# KiCad board driver.kicad_pcb (continued)
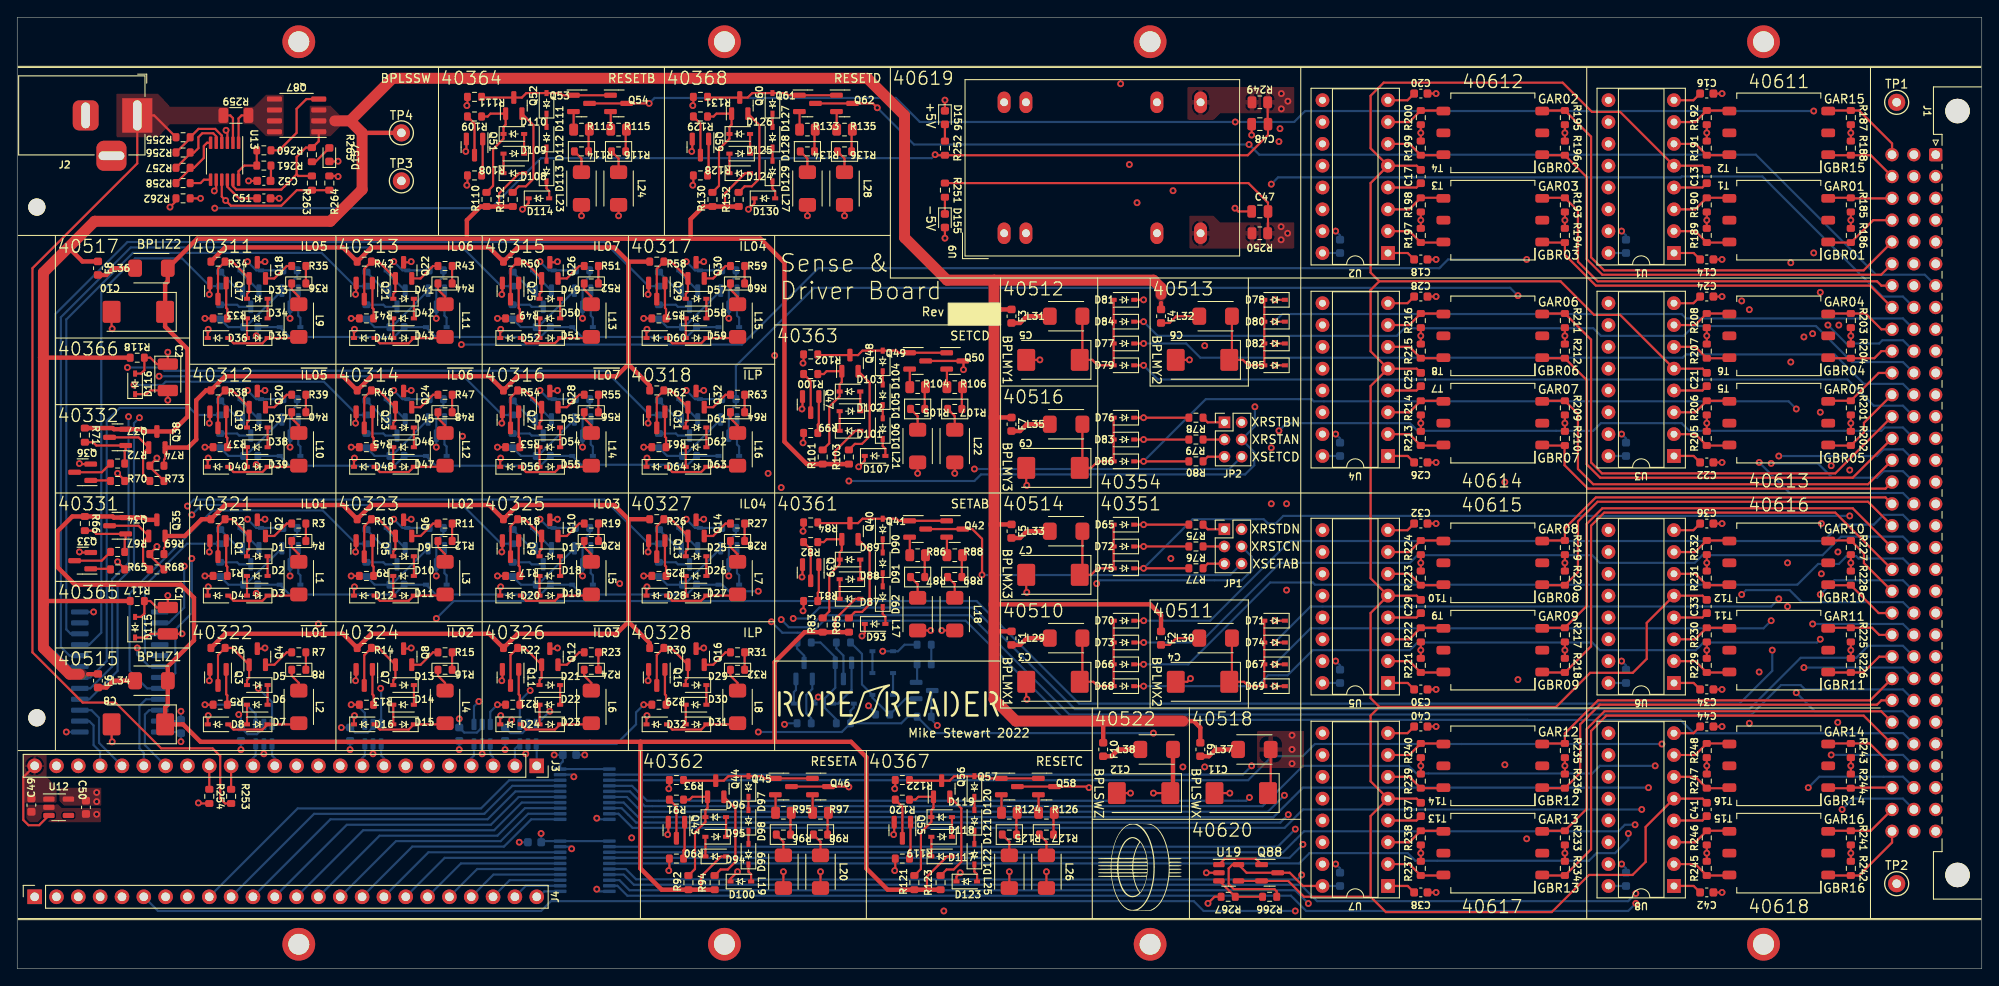
[diagram p0: board, top side]
## Nets (continued)
Net-(R206-Pad2): R206.2 T5.6 U3.3
Net-(R207-Pad1): R207.1 T6.4 U3.6
Net-(R208-Pad2): R208.2 T6.6 U3.7
Net-(R213-Pad1): R213.1 T7.4 U4.2
Net-(R214-Pad2): R214.2 T7.6 U4.3
Net-(R215-Pad1): R215.1 T8.4 U4.6
Net-(R216-Pad2): R216.2 T8.6 U4.7
Net-(R221-Pad1): R221.1 T9.4 U5.2
Net-(R222-Pad2): R222.2 T9.6 U5.3
Net-(R223-Pad1): R223.1 T10.4 U5.6
Net-(R224-Pad2): R224.2 T10.6 U5.7
Net-(R229-Pad1): R229.1 T11.4 U6.2
Net-(R230-Pad2): R230.2 T11.6 U6.3
Net-(R231-Pad1): R231.1 T12.4 U6.6
Net-(R232-Pad2): R232.2 T12.6 U6.7
Net-(R237-Pad1): R237.1 T13.4 U7.2
Net-(R238-Pad2): R238.2 T13.6 U7.3
Net-(R239-Pad1): R239.1 T14.4 U7.6
Net-(R240-Pad2): R240.2 T14.6 U7.7
Net-(R245-Pad1): R245.1 T15.4 U8.2
Net-(R246-Pad2): R246.2 T15.6 U8.3
Net-(R247-Pad1): R247.1 T16.4 U8.6
Net-(R248-Pad2): R248.2 T16.6 U8.7
Net-(R255-Pad1): R255.1 R256.2 U13.4
Net-(R256-Pad1): R256.1 R257.2 U13.5
Net-(R257-Pad1): R257.1 R258.2 U13.6
Net-(R258-Pad1): R258.1 U13.7
Net-(R260-Pad2): R260.2 R261.2 U13.12
Net-(R266-Pad2): R266.2 R267.1 U19.3
Net-(R274-Pad2): R274.2 R275.1

Pads without a net: J3 12 17; J4 2 3 4; T1 2 5; T2 2 5; T3 2 5; T4 2 5; T5 2 5; T6 2 5; T7 2 5; T8 2 5; T9 2 5; T10 2 5; T11 2 5; T12 2 5; T13 2 5; T14 2 5; T15 2 5; T16 2 5; U1 10; U2 10; U3 10; U4 10; U5 10; U6 10; U7 10; U8 10; U12 4; U14 11 13 15 16

## Via types
v1: diameter 0.8, hole 0.4, Top to Bottom, 405 vias

## Routing (per net, layer and track width the routed paths; a pad name or vN(x,y) marks a point on that pad's centre or on a via; arc(x,y) is an arc through that point)
+3.3V: length 41.6
  Bottom w0.254: v1(19.05,26.43) 19.05,27.42 18.91,27.56 U14.24 ; v1(37.72,28.07) 37.73,28.08 C55.1 39.33,27.49 40.79,27.49 41.4,28.1 U16.5 ; v1(57.53,28.96) 56.77,28.19 C57.1 57.42,27.43 58.76,27.43 59.44,28.1 U18.5 ; U10.1 U10.20 61.1,14.86 C45.2 60.97,15.73 v1(60.96,15.75) ; U11.1 U11.20 63.18,23.81 63.49,24.12 C46.2 v1(62.48,24.89) ; v1(51.43,29.09) C56.1 52.03,27.49 53.49,27.49 54.1,28.1 U17.5 ; U14.1 v1(5.71,27.56) ; v1(25.78,29.59) 26.04,29.34 C54.1 26.81,27.31 27.9,27.31 28.7,28.1 U15.5
  vias: v1(9.25,20.52) v1(9.25,19.46)
+5V: length 238.6
  Top w0.254: R249.1 145.5,98.34 C48.1 145.54,97.03 143.19,94.68 R252.1 106.87,94.68 v1(106.81,94.74) ; U7.16 149.62,9.64 148.08,11.18 Q88.3 143.05,11.18 U19.5 141.41,12.13 140.97,11.68 140.97,9.86 141.56,9.27 146.3,9.27 146.56,9.02 R266.1 ; R254.2 21.15,19.24 v1(21.08,19.3)
  In2.Cu w0.254: v1(22.99,88.52) 20.83,86.36 20.83,60.2 21.34,59.69 21.34,47.5 21.06,47.23 21.06,19.32 v1(21.08,19.3)
  Bottom w0.254: C27.1 153.92,59.68 U4.16 ; U3.16 187.19,59.68 C23.1 ; 187.2,9.64 187.19,9.64 U8.16 ; C19.1 153.92,83.3 U2.16 ; C35.1 187.19,33.26 U6.16 ; v1(22.99,88.52) 55.12,88.52 60.94,94.34 106.41,94.34 v1(106.81,94.74) ; C15.1 187.19,83.3 U1.16 ; C31.1 153.92,33.26 U5.16 ; U7.16 153.92,9.64 153.92,9.64
  vias: v1(147.09,101.85) v1(147.09,100.08) v1(147.86,100.97)
+14V: length 372
  Top w0.254: U13.11 25.11,91.08 25.5,90.68 30.73,90.68 32.51,92.46 ; Q87.1 35.09,96.3 34.35,95.57 R265.1 33.59,95.57 32.51,94.49 32.51,92.46 ; R263.1 32.7,92.27 32.51,92.46
  Top w0.508: 3.05,42.55 3.3,42.8 R117.2 ; F8.2 7.59,82.32 5.97,83.95 ; F6.2 9.37,34.29 8.26,34.29 ; TP4.1 40.13,97.28 ; F10.2 126.36,28.83 ; 113.66,51.69 113.69,51.71 F5.2 ; F1.2 113.69,39.27 113.66,39.24 ; 113.66,64.14 113.69,64.16 F7.2 ; 136.53,28.83 136.91,28.83 137.67,28.07 F9.2 ; F2.2 133.1,41.15 131.83,42.42 113.66,42.42 ; R118.2 3.05,71.12 ; F3.2 113.69,76.73 113.66,76.71 ; F4.2 133.1,77.47
  Top w1.27: 113.66,80.14 132.21,80.14 133.1,79.25 133.1,78.49 ; 113.66,80.14 108.2,80.14 103.25,85.09 103.25,99.31 98.93,103.63 43.69,103.63 38.74,98.68 ; 113.66,80.14 113.66,31.37 116.2,28.83 135.64,28.83 ; 38.74,98.68 40.13,97.28 40.13,90.68 36.45,87 9.02,87 3.05,81.03 3.05,37.34 6.1,34.29 7.24,34.29 ; 38.74,98.68 36.96,98.68
-5V: length 69
  Top w0.254: U5.8 161.78,51.04 C32.2 ; U8.8 195.05,27.42 C44.2 ; R251.1 143.26,91.44 145.54,89.15 C47.2 145.54,85.64 R250.1 ; C28.2 161.78,77.46 U4.8 ; C20.2 161.78,101.08 U2.8 ; C40.2 161.78,27.42 U7.8 ; U1.8 195.05,101.08 C16.2 ; C36.2 195.05,51.04 U6.8 ; C24.2 195.05,77.46 U3.8
  vias: v1(147.07,86.36) v1(147.07,84.84) v1(147.83,85.6)
/FPGA and Power/5V_FPGA: length 10.5
  Top w0.254: U12.3 2.56,16.71 1.32,16.71 0.71,17.32 0.71,22.3 J3.24
/FPGA and Power/14V_IN: length 110.5
  Top w0.254: R255.2 15.94,99.31 J2.1 13.97,93.73 1.78,81.53 1.78,36.83 7.62,30.99 11.43,30.99 16.76,25.65 22.73,25.65 23.62,24.77 23.62,19.81 24.19,19.24 R253.2 ; R259.2 24.79,99.31 25.11,99 U13.2
/FPGA and Power/14V_SENSE: length 4.1
  Top w0.254: R259.1 26.11,99.31 25.76,98.96 U13.1
/Rope Drivers/40510/14V_FUSE: length 4.8
  Top w0.508: L29.1 117.47,38.48 116.69,37.69 F1.1
/Rope Drivers/40511/14V_FUSE: length 4.8
  Top w0.254: F2.1 134.09,37.69 134.87,38.48 L30.1
/Rope Drivers/40512/14V_FUSE: length 4.8
  Top w0.508: F3.1 116.69,75.16 117.47,75.95 L31.1
/Rope Drivers/40513/14V_FUSE: length 4.8
  Top w0.254: F4.1 134.09,75.16 134.87,75.95 L32.1
/Rope Drivers/40514/14V_FUSE: length 4.8
  Top w0.508: L33.1 117.47,50.93 116.69,50.14 F5.1
/Rope Drivers/40515/14V_FUSE: length 4.7
  Top w0.508: L34.1 11.18,33.53 10.39,32.74 F6.1
/Rope Drivers/40516/14V_FUSE: length 4.8
  Top w0.508: F7.1 116.69,62.59 117.47,63.37 L35.1
/Rope Drivers/40517/14V_FUSE: length 4.6
  Top w0.508: F8.1 10.39,80.75 11.18,81.53 L36.1
/Sense Amplifiers/40518/14V_FUSE: length 4.7
  Top w0.508: F9.1 138.66,24.74 139.45,25.53 L37.1
/Strand Select/40522/14V_FUSE: length 4.6
  Top w0.508: L38.1 128.14,25.53 127.36,24.74 F10.1
GND: length 274.4
  Top w0.254: v1(91.44,50.93) 91.5,50.99 R84.2 ; L27.2 v1(91.95,87.63) ; C21.1 196.09,67.3 U3.4 ; D36.1 22.17,74.37 v1(22.23,74.42) ; U7.4 162.82,17.26 163.32,17.77 ; v1(16.26,49.15) 15.43,48.32 15.43,48.26 ; 17.51,38.99 15.49,38.99 15.06,38.55 D115.1 ; v1(107.57,39.37) 107.57,39.38 L18.2 ; R214.1 v1(163.32,63.5) R213.2 ; U2.4 162.82,90.92 C17.1 ; v1(73.28,44.45) 73.22,44.39 D28.1 ; v1(22.93,90.53) 23.16,90.75 U13.8 ; R208.1 v1(196.6,73.66) R207.2 ; C40.1 v1(165.1,28.19) ; C1.2 19.16,38.98 v1(19.18,38.99) ; L26.2 v1(119.76,11.3) ; D48.1 39.19,59.38 v1(39.24,59.44) ; C22.1 v1(198.37,58.93) ; v1(17.78,88.65) 18.48,89.34 R262.2 ; C28.1 v1(165.1,78.23) ; 196.6,86.17 v1(196.6,87.12) R190.1 ; C5.2 v1(119,70.87) ; v1(22.23,59.44) 22.17,59.38 D40.1 ; v1(39.24,29.46) 39.19,29.41 D16.1 ; D4.1 22.17,44.39 v1(22.23,44.45) ; C13.1 196.09,90.92 U1.4 ; v1(102.11,20.96) 102.17,21.02 R122.2 ; C3.2 117.41,31.45 v1(117.49,31.37) ; R230.1 v1(196.6,37.08) R229.2 ; R224.1 v1(163.32,47.24) R223.2 ; D64.1 73.22,59.38 v1(73.28,59.44) ; 163.32,12.51 v1(163.32,13.46) R238.1 ; v1(136.53,33.78) 136.14,33.4 C4.2 ; D24.1 56.2,29.41 v1(56.26,29.46) ; C20.1 v1(165.1,101.85) ; R206.1 v1(196.6,63.5) R205.2 ; v1(37.34,93.98) 37.31,93.95 D157.1 ; v1(91.44,70.48) 91.5,70.55 R102.2 ; C47.1 142.08,88.14 v1(141.7,88.52) ; R111.2 52.39,100.52 v1(52.32,100.46) ; R264.2 37.27,92.27 v1(37.34,92.2) ; R222.1 v1(163.32,37.08) R221.2 ; C2.2 v1(17.53,66.17) ; v1(117.47,43.82) 117.41,43.88 C7.2 ; D155.2 v1(107.95,85.03) ; U5.4 162.82,40.88 C29.1 ; R215.2 v1(163.32,73.66) R216.1 ; v1(73.28,29.46) 73.22,29.41 D32.1 ; v1(39.24,44.45) 39.19,44.39 D12.1 ; D123.1 109.29,10.74 v1(109.73,11.18) ; L17.2 106.29,39.38 v1(106.3,39.37) ; v1(83.82,11.3) 83,10.48 D100.1 ; 15.43,58.42 R73.2 ; R267.2 139.32,8.38 v1(138.56,7.62) ; C16.1 v1(198.37,101.85) ; C32.1 v1(165.1,51.82) ; C30.1 v1(165.1,32.51) ; 17.51,67.31 15.49,67.31 15.06,66.87 D116.1 ; R191.2 v1(196.6,97.28) 196.6,98.24 ; v1(56.26,59.44) 56.2,59.38 D56.1 ; v1(22.23,29.46) 22.17,29.41 D8.1 ; D107.1 98.62,59.12 v1(97.92,58.42) ; L20.2 v1(93.47,11.3) ; D93.1 98.62,39.06 v1(98.3,38.73) ; R131.2 78.68,100.52 v1(78.61,100.46) ; 15.43,48.13 R68.2 ; v1(39.24,74.42) 39.19,74.37 D44.1 ; C33.1 196.09,40.88 U6.4 ; v1(117.47,56.26) 117.41,56.33 C9.2 ; v1(11.05,74.49) 10.98,74.55 C10.2 ; C6.2 v1(136.4,70.87) ; D156.1 v1(107.95,101.09) ; R239.2 v1(163.32,23.62) R240.1 ; 163.32,86.17 v1(163.32,87.12) R198.1 ; D60.1 73.22,74.37 v1(73.28,74.42) ; C12.2 v1(129.54,20.45) ; v1(143.64,97.03) 143.64,97.03 C48.2 ; v1(56.26,44.45) 56.2,44.39 D20.1 ; 196.6,17.77 196.09,17.26 U8.4 ; C34.1 v1(198.37,32.51) ; C38.1 v1(165.1,8.89) ; v1(11.05,26.42) 10.99,26.48 C8.2 ; C51.2 v1(30.48,89.66) ; v1(16.26,59.44) 15.43,58.61 15.43,58.55 ; R246.1 v1(196.6,13.46) 196.6,12.51 ; C44.1 v1(198.37,28.19) ; C26.1 v1(165.1,58.93) ; v1(85.09,88.39) 85.79,89.1 D130.1 ; v1(56.26,74.42) 56.2,74.37 D52.1 ; L24.2 v1(69.98,87.63) ; v1(75.82,20.96) 75.88,21.02 R93.2 ; 163.32,98.24 v1(163.32,97.28) R199.2 ; U4.4 162.82,67.3 C25.1 ; L25.2 v1(115.44,11.3) ; R231.2 v1(196.6,47.24) R232.1 ; D114.1 59.51,89.1 v1(58.8,88.39) ; L19.2 v1(89.15,11.3) ; C14.1 v1(198.37,82.55) ; L21.2 v1(104.78,57.66) ; C18.1 v1(165.1,82.55) ; L23.2 v1(65.66,87.63) ; C42.1 v1(198.37,8.89) ; R247.2 v1(196.6,23.62) R248.1 ; C52.2 v1(26.92,91.69) ; L22.2 v1(109.09,57.66) ; C24.1 v1(198.37,78.23) ; L28.2 v1(96.27,87.63) ; C36.1 v1(198.37,51.82) ; U19.2 v1(138.37,11.18) ; C11.2 v1(141.1,20.45)
  Bottom w0.254: v1(67.44,9.27) 67.69,9.01 U10.10 ; C35.2 187.2,35.31 v1(186.69,35.81) ; R160.2 D141.1 44.83,66.29 v1(43.82,67.31) ; v1(67.44,17.53) 67.57,17.4 U11.10 ; D158.1 92.77,31.18 v1(93.21,31.62) ; U14.12 v1(8.89,41.53) ; C43.2 187.2,11.68 v1(186.69,12.19) ; C54.2 v1(26.04,25.51) ; 81.98,66.29 D145.1 78.87,66.29 v1(77.85,67.31) ; v1(153.42,62.23) 153.92,61.72 C27.2 ; v1(153.42,35.81) 153.92,35.31 C31.2 ; C55.2 v1(38.74,25.51) ; U14.23 18.91,28.83 C53.1 v1(19.05,29.97) ; C57.2 v1(56.77,25.51) ; v1(64.77,22.35) 64.53,22.59 U11.19 ; v1(43.82,52.32) 44.83,51.31 D149.1 R176.2 ; R172.2 D147.1 27.81,51.31 v1(26.8,52.32) ; R180.2 D151.1 61.85,51.31 v1(60.83,52.32) ; v1(99.06,30.61) 99.89,29.78 R272.2 ; R144.2 D133.1 44.83,81.28 v1(43.82,82.3) ; R140.2 D131.1 27.81,81.28 v1(26.8,82.3) ; C19.2 153.92,85.34 v1(153.42,85.85) ; v1(77.85,52.32) 78.87,51.31 D153.1 81.98,51.31 ; v1(64.52,13.97) 64.27,14.21 U10.19 ; v1(60.83,67.31) 61.85,66.29 D143.1 R164.2 ; v1(59.18,25.02) 59.44,25.27 U18.2 ; R148.2 D135.1 61.85,81.28 v1(60.83,82.3) ; 65.04,24.89 v1(66.04,24.89) ; v1(77.85,82.3) 78.87,81.28 D137.1 81.98,81.28 ; C23.2 187.2,61.72 v1(186.69,62.23) ; v1(26.8,67.31) 27.81,66.29 D139.1 R156.2 ; C39.2 153.92,11.68 v1(153.42,12.19) ; R275.2 103.25,37.72 102.49,36.96 D162.1 v1(100.71,36.96) ; v1(186.69,85.85) 187.2,85.34 C15.2 ; U15.2 v1(28.7,25.02) ; C56.2 v1(51.43,25.51) ; U16.2 v1(41.4,25.02) ; C45.1 v1(58.42,14.73) ; U17.2 v1(54.1,25.02)
  vias: v1(9.25,17.98)
/Connector/GAR1: length 7.5
  Top w0.254: J1.c3 213.42,89.66 R185.1 210.79,89.73 T1.3
/Connector/GAR2: length 58
  Top w0.254: 180.09,99.89 177.52,99.89 T4.3 ; J1.c5 214.85,81.28 184.66,81.28 183.13,82.8 183.13,96.84 R195.1
/Connector/GAR3: length 48.4
  Top w0.254: J1.c7 216.92,79.5 216.41,80.01 183.9,80.01 181.61,82.3 181.61,88.2 R193.1 177.52,89.73 T3.3
/Connector/GAR4: length 8.2
  Top w0.254: J1.c9 216.92,74.42 215.07,76.26 R203.1 210.79,76.26 T6.3
/Connector/GAR5: length 8.8
  Top w0.254: J1.c11 216.6,69.34 R201.1 210.79,66.1 T5.3
/Connector/GAR6: length 59.5
  Top w0.254: T8.3 177.52,76.26 R211.1 183.13,73.22 183.13,58.93 184.4,57.66 211.55,57.66 J1.c13
/Connector/GAR7: length 49.7
  Top w0.254: T7.3 177.52,66.1 R209.1 181.61,64.58 181.61,58.17 183.39,56.39 215.36,56.39 J1.c15
/Connector/GAR8: length 43.9
  Top w0.254: T10.3 177.52,49.85 R219.1 180.09,51.26 183.69,54.86 217.39,54.86 J1.c17
/Connector/GAR9: length 54
  Top w0.254: T9.3 177.52,39.69 R217.1 182.63,42.23 182.63,51.77 184.45,53.59 213.58,53.59 J1.c19
/Connector/GAR10: length 10.5
  Top w0.254: T12.3 210.79,49.85 R227.1 214.88,48.32 214.88,47.21 J1.c21
/Connector/GAR11: length 7.8
  Top w0.254: T11.3 210.79,39.69 R225.1 215.84,39.69 216.66,38.86 J1.c23
/Connector/GAR12: length 44.5
  Top w0.254: J1.c25 215.61,31.24 183.94,31.24 180.09,27.39 R235.1 177.52,26.23 T14.3
/Connector/GAR13: length 52.5
  Top w0.254: T13.3 177.52,16.07 R233.1 182.63,18.61 182.63,27.9 184.7,29.97 216.88,29.97 J1.c27
/Connector/GAR14: length 8.5
  Top w0.254: J1.c29 215.55,26.23 R243.1 210.79,26.23 T16.3
/Connector/GAR15: length 10.3
  Top w0.254: T2.3 210.79,99.89 R187.1 214.31,99.89 218.15,96.04 J1.c1
/Connector/GAR16: length 8.5
  Top w0.254: T15.3 210.79,16.07 R241.1 215.68,16.07 J1.c31
/Connector/GBR1: length 8.5
  Top w0.254: J1.c4 215.96,87.12 R186.2 210.79,84.52 T1.1
/Connector/GBR2: length 52.6
  Top w0.254: J1.c6 216.88,80.77 184.45,80.77 182.63,82.59 182.63,92.14 R196.2 177.52,94.68 T4.1
/Connector/GBR3: length 44.7
  Top w0.254: T3.1 177.52,84.52 R194.2 180.09,83.1 183.69,79.5 215.61,79.5 J1.c8
/Connector/GBR4: length 7.8
  Top w0.254: T6.1 210.79,71.06 R204.2 216.09,71.06 216.92,71.88 J1.c10
/Connector/GBR5: length 10.5
  Top w0.254: T5.1 210.79,60.9 R202.2 214.88,62.42 214.88,63.53 J1.c12
/Connector/GBR6: length 54.1
  Top w0.254: T8.1 177.52,71.06 R212.2 182.63,68.52 182.63,58.72 184.19,57.15 213.58,57.15 J1.c14
/Connector/GBR7: length 44.5
  Top w0.254: T7.1 177.52,60.9 R210.2 180.05,60.86 180.05,58.6 182.77,55.88 217.39,55.88 J1.c16
/Connector/GBR8: length 49.4
  Top w0.254: T10.1 177.52,44.64 R220.2 181.61,46.17 181.61,52.07 183.9,54.36 215.36,54.36 J1.c18
/Connector/GBR9: length 59.4
  Top w0.254: J1.c20 211.55,53.09 184.66,53.09 183.13,51.56 183.13,37.53 R218.2 177.52,34.48 T9.1
/Connector/GBR10: length 8.8
  Top w0.254: T12.1 210.79,44.64 R228.2 216.6,41.4 J1.c22
/Connector/GBR11: length 8.2
  Top w0.254: J1.c24 216.66,36.32 214.82,34.48 R226.2 210.79,34.48 T11.1
/Connector/GBR12: length 48.3
  Top w0.254: J1.c26 216.92,31.24 216.41,30.73 184.15,30.73 181.86,28.45 181.86,22.8 R236.2 177.52,21.02 T14.1
/Connector/GBR13: length 57.9
  Top w0.254: T13.1 177.52,10.86 R234.2 183.13,13.91 183.13,27.69 184.91,29.46 214.85,29.46 J1.c28
/Connector/GBR14: length 7.5
  Top w0.254: J1.c30 213.42,21.08 R244.2 210.79,21.02 T16.1
/Connector/GBR15: length 8.5
  Top w0.254: T2.1 210.79,94.68 R188.2 215.68,94.68 J1.c2
/Connector/GBR16: length 10.3
  Top w0.254: J1.c32 218.15,14.7 214.31,10.86 R242.2 210.79,10.86 T15.1
/Connector/MODR1: length 149.9
  In2.Cu w0.254: v1(107.06,28.32) 107.82,27.56 v1(107.82,6.73)
  In3.Cu w0.254: J1.a32 223.23,9.87 218.95,5.59 108.97,5.59 v1(107.82,6.73)
  Bottom w0.254: v1(107.06,28.32) 106.36,29.02 R273.2 106.36,32.27
/Connector/RCD1: length 100.1
  Top w0.254: D68.1 v1(131.06,32.89)
  In2.Cu w0.254: v1(209.8,38.35) v1(209.8,43.56)
  Bottom w0.254: v1(209.8,38.35) 209.42,37.97 196.22,37.97 195.33,37.08 184.15,37.08 183.26,37.97 162.94,37.97 162.05,37.08 150.75,37.08 147.83,34.16 145.54,34.16 144.27,32.89 v1(131.06,32.89) ; J1.b21 219.42,45.21 211.45,45.21 v1(209.8,43.56)
/Connector/RCD2: length 97.1
  Top w0.254: D73.1 v1(131.08,37.97)
  Bottom w0.254: J1.b19 219.42,50.29 212.22,50.29 210.06,48.13 196.09,48.13 195.2,47.24 184.15,47.24 183.26,48.13 162.94,48.13 162.05,47.24 146.94,47.24 137.67,37.97 v1(131.08,37.97)
/Connector/RCD3: length 102.7
  Top w0.254: D69.1 v1(146.3,32.89)
  In2.Cu w0.254: v1(202.69,58.93) v1(202.69,34.54)
  In3.Cu w0.254: v1(202.69,34.54) 147.95,34.54 v1(146.3,32.89)
  Bottom w0.254: J1.b17 219.42,55.37 206.25,55.37 v1(202.69,58.93)
/Connector/RCD4: length 95.2
  Top w0.254: D74.1 v1(146.3,37.97)
  In2.Cu w0.254: v1(204.98,43.05) v1(204.98,59.67)
  Bottom w0.254: v1(204.98,43.05) 204.09,42.16 150.5,42.16 v1(146.3,37.97) ; v1(204.98,59.67) 216.39,59.67 217.17,60.45 219.42,60.45 J1.b15
/Connector/RCD5: length 93.2
  Top w0.254: D79.1 v1(131.06,70.23)
  Bottom w0.254: J1.b13 219.42,65.53 216.03,65.53 212.98,68.58 132.72,68.58 v1(131.06,70.23)
/Connector/RCD6: length 94.9
  Top w0.254: D84.1 v1(131.06,75.31)
  Bottom w0.254: J1.b11 219.42,70.61 213.49,70.61 209.3,74.8 195.07,74.8 193.93,73.66 184.28,73.66 183.39,74.55 161.42,74.55 160.53,73.66 132.72,73.66 v1(131.06,75.31)
/Connector/RCD7: length 76.7
  Top w0.254: D80.1 v1(146.3,75.31)
  Bottom w0.254: v1(146.3,75.31) 147.19,76.2 193.67,76.2 194.18,75.69 219.42,75.69 J1.b9
/Connector/RCD8: length 116
  Top w0.254: D85.1 v1(146.3,70.23)
  In2.Cu w0.254: v1(207.9,73.53) v1(207.9,35.05)
  In3.Cu w0.254: v1(207.9,73.53) 206.12,73.53 203.71,71.12 150.62,71.12 149.73,70.23 v1(146.3,70.23)
  Bottom w0.254: v1(207.9,35.05) 219.42,35.05 J1.b25
/Connector/RFD1: length 96.8
  Top w0.254: D66.1 v1(131.06,35.43)
  Bottom w0.254: v1(131.06,35.43) 136.27,35.43 145.8,44.96 150.75,44.96 151,44.7 207.14,44.7 209.55,47.12 211.96,47.12 212.87,48.03 213.98,48.03 214.25,47.75 219.42,47.75 J1.b20
/Connector/RFD2: length 96.3
  Top w0.254: D70.1 v1(131.08,40.51)
  Bottom w0.254: v1(131.08,40.51) 138.81,40.51 148.08,49.78 210.19,49.78 212.09,51.69 216.03,51.69 217.17,52.83 219.42,52.83 J1.b18
/Connector/RFD3: length 97.5
  Top w0.254: D67.1 v1(146.3,35.43)
  In2.Cu w0.254: v1(204.09,40.51) v1(204.09,58.82)
  Bottom w0.254: v1(204.09,40.51) 203.2,39.62 150.5,39.62 v1(146.3,35.43) ; J1.b16 219.42,57.91 217.17,57.91 216.41,57.15 211.2,57.15 209.53,58.82 v1(204.09,58.82)
/Connector/RFD4: length 99.5
  Top w0.254: D71.1 v1(146.3,40.51)
  In2.Cu w0.254: v1(146.3,40.51) 146.81,41.02 v1(146.81,62.61)
  Bottom w0.254: v1(146.81,62.61) 147.7,63.5 162.05,63.5 162.94,62.61 183.39,62.61 184.28,63.5 193.67,63.5 194.56,62.61 216.92,62.61 217.3,62.99 219.42,62.99 J1.b14
/Connector/RFD5: length 93.5
  Top w0.254: D77.1 v1(131.06,72.77)
  Bottom w0.254: J1.b12 219.42,68.07 214.88,68.07 211.45,71.5 194.18,71.5 193.8,71.12 137.67,71.12 136.02,72.77 v1(131.06,72.77)
/Connector/RFD6: length 95.1
  Top w0.254: D81.1 v1(131.06,77.85)
  In3.Cu w0.254: v1(131.06,77.85) 132.97,79.76 205.85,79.76 v1(210.69,74.91)
  Bottom w0.254: J1.b10 219.42,73.15 217.04,73.15 216.66,72.77 212.83,72.77 v1(210.69,74.91)
/Connector/RFD7: length 96.3
  Top w0.254: D78.1 v1(146.3,77.85)
  In2.Cu w0.254: v1(146.3,77.85) 145.92,78.23 v1(145.92,91.31)
  Bottom w0.254: J1.b8 219.42,78.23 217.04,78.23 203.07,92.2 193.67,92.2 193.58,92.1 146.71,92.1 v1(145.92,91.31)
/Connector/RFD8: length 111.6
  Top w0.254: D82.1 v1(146.3,72.77)
  In2.Cu w0.254: v1(208.91,73.91) v1(208.91,40.13)
  In3.Cu w0.254: v1(146.3,72.77) 149.73,72.77 150.62,73.66 161.67,73.66 162.56,74.55 183.26,74.55 184.15,73.66 194.94,73.66 195.83,74.55 208.28,74.55 v1(208.91,73.91)
  Bottom w0.254: J1.b23 219.42,40.13 v1(208.91,40.13)
/Connector/RSTRD1: length 136.5
  Top w0.254: R79.2 v1(131.06,61.59) D83.1
  In2.Cu w0.254: v1(131.06,61.59) 129.41,63.25 v1(129.41,93.6)
  In3.Cu w0.254: v1(129.41,93.6) 130.56,94.74 207.64,94.74 214,88.39 221.96,88.39 J1.a4
/Connector/RSTRD2: length 130.3
  Top w0.254: D76.1 v1(131.06,64.14) R78.2
  In2.Cu w0.254: v1(130.3,89.15) 130.3,88.39 130.05,88.14 130.05,65.15 v1(131.06,64.14)
  In3.Cu w0.254: J1.a8 221.96,78.23 212.72,78.23 201.29,89.66 130.81,89.66 v1(130.3,89.15)
/Connector/RSTRD3: length 159.6
  Top w0.254: R76.2 v1(131.06,49.15) D72.1
  In2.Cu w0.254: v1(131.06,49.15) 128.4,51.82 v1(128.4,103)
  In3.Cu w0.254: v1(128.4,103) 203.71,103 210.69,96.01 221.96,96.01 J1.a1
/Connector/RSTRD4: length 139.2
  Top w0.254: D65.1 v1(131.06,51.69) R75.2
  In2.Cu w0.254: v1(131.06,51.69) 134.49,55.12 v1(134.49,90.55)
  In3.Cu w0.254: J1.a5 221.96,85.85 213.53,85.85 207.18,92.2 136.14,92.2 v1(134.49,90.55)
/Connector/SETRN1: length 135.6
  Top w0.254: R77.2 v1(131.06,46.61) D75.1
  In2.Cu w0.254: v1(213.23,52.71) 213.23,48.64 212.47,47.88 212.47,29.34 212.72,29.08 212.72,28.32 212.34,27.94 v1(212.34,18.54)
  Bottom w0.254: v1(212.34,18.54) 213.61,19.81 219.42,19.81 J1.b31 ; v1(131.06,46.61) 136.78,52.32 145.03,52.32 145.54,51.82 146.43,51.82 147.32,52.71 v1(213.23,52.71)
/Connector/SETRN2: length 133.9
  Top w0.254: D86.1 v1(131.06,59.06) R80.2
  In2.Cu w0.254: v1(207.01,65.15) v1(207.01,32.13)
  Bottom w0.254: v1(131.06,59.06) 138.3,66.29 150.62,66.29 150.88,66.04 206.12,66.04 v1(207.01,65.15) ; J1.b27 219.42,29.97 209.17,29.97 v1(207.01,32.13)
/Connector/STR1: length 232.4
  In2.Cu w0.254: v1(200.66,43.56) v1(200.66,77.72)
  In3.Cu w0.254: v1(200.66,77.72) 199.26,79.12 133.73,79.12 131.57,76.96 34.54,76.96 33.27,75.69 v1(31.75,75.69)
  Bottom w0.254: v1(31.75,75.69) Q64.3 31.75,79.76 32.58,80.58 R140.1 ; J1.b22 219.42,42.67 207.64,42.67 206.25,44.07 201.17,44.07 v1(200.66,43.56)
/Connector/STR2: length 257.2
  In2.Cu w0.254: v1(175.64,15.13) v1(175.64,82.55) ; v1(51.69,72.64) 50.8,72.64 48.77,74.68 v1(48.77,75.69)
  In3.Cu w0.254: v1(175.64,15.13) 176.51,16 185.93,16 187.07,14.86 187.96,14.86 189.1,16 208.53,16 212.34,19.81 221.96,19.81 J1.a31
  Bottom w0.254: 49.59,81.28 49.59,80.58 48.77,79.76 Q66.3 v1(48.77,75.69) ; v1(51.69,72.64) 84.33,72.64 93.22,81.53 165.48,81.53 166.5,82.55 v1(175.64,82.55)
/Connector/STR3: length 201
  In2.Cu w0.254: v1(90.3,40.77) 90.3,69.22 v1(88.14,71.37)
  In3.Cu w0.254: v1(88.14,71.37) 70.1,71.37 v1(65.79,75.69)
  Bottom w0.254: v1(90.3,40.77) 92.07,40.77 93.34,42.04 111.25,42.04 123.06,30.23 201.55,30.23 207.52,36.2 214,36.2 215.39,37.59 219.42,37.59 J1.b24 ; v1(65.79,75.69) Q68.3 65.79,79.76 66.61,80.58 R148.1
/Connector/STR4: length 196.9
  In2.Cu w0.254: v1(138.18,72.52) v1(138.18,23.5)
  In3.Cu w0.254: v1(208.41,21.08) 191.13,21.08 190.25,21.97 187.07,21.97 186.18,21.08 142.11,21.08 139.7,23.5 v1(138.18,23.5) ; v1(138.18,72.52) 136.65,74.04 84.46,74.04 v1(82.8,75.69)
  Bottom w0.254: J1.b30 219.42,22.35 209.68,22.35 v1(208.41,21.08) ; v1(82.8,75.69) Q70.3 82.8,79.76 83.63,80.58 R152.1
/Connector/STR5: length 220.1
  In2.Cu w0.254: v1(88.9,40.64) v1(88.9,56.01)
  In3.Cu w0.254: v1(88.9,56.01) 36.45,56.01 v1(31.75,60.71)
  Bottom w0.254: R156.1 32.58,65.59 31.75,64.77 Q72.3 v1(31.75,60.71) ; J1.b26 219.42,32.51 208.03,32.51 207.52,33.02 205.23,33.02 201.8,29.59 122.43,29.59 110.87,41.15 93.6,41.15 92.2,39.75 89.79,39.75 v1(88.9,40.64)
/Connector/STR6: length 222.3
  In2.Cu w0.254: v1(173.1,56.64) v1(173.1,23.75)
  In3.Cu w0.254: v1(48.77,60.71) 50.93,62.87 52.45,62.87 52.71,62.61 114.81,62.61 120.78,56.64 v1(173.1,56.64) ; J1.a28 221.96,27.43 217.17,27.43 214.88,29.72 203.96,29.72 198.75,24.51 194.69,24.51 193.8,23.62 191.9,23.62 191.01,24.51 186.94,24.51 186.06,23.62 184.15,23.62 183.26,22.73 174.12,22.73 v1(173.1,23.75)
  Bottom w0.254: v1(48.77,60.71) Q74.3 48.77,64.77 49.59,65.59 49.59,66.29
/Connector/STR7: length 186.2
  In2.Cu w0.254: v1(87.38,57.66) 87.76,57.28 v1(87.76,40.39)
  In3.Cu w0.254: v1(65.79,60.71) 68.83,57.66 v1(87.38,57.66)
  Bottom w0.254: R164.1 66.61,65.59 65.79,64.77 Q76.3 v1(65.79,60.71) ; J1.b28 219.42,27.43 217.17,27.43 217.15,27.41 195.09,27.41 193.55,28.96 175.77,28.96 175.75,28.98 121.9,28.98 110.36,40.51 93.85,40.51 92.46,39.12 89.03,39.12 v1(87.76,40.39)
/Connector/STR8: length 199
  In2.Cu w0.254: v1(174.62,33.66) v1(174.62,78.34)
  In3.Cu w0.254: J1.a26 221.96,32.51 208.03,32.51 207.52,33.02 200.15,33.02 198.75,31.62 176.66,31.62 v1(174.62,33.66)
  Bottom w0.254: Q78.3 82.8,64.77 83.63,65.59 R168.1 83.63,70.17 92.71,79.25 173.72,79.25 v1(174.62,78.34)
/Connector/STR9: length 228.5
  In2.Cu w0.254: v1(135.64,23.5) 135.64,46.36 v1(134.24,47.75)
  In3.Cu w0.254: v1(135.64,23.5) 135.64,20.19 136.91,18.92 148.46,18.92 148.84,18.54 187.2,18.54 188.09,19.43 189.86,19.43 190.75,18.54 209.42,18.54 213.23,22.35 221.97,22.35 J1.a30 ; v1(134.24,47.75) 129.92,47.75 129.16,46.99 37.97,46.99 36.7,45.72 v1(31.75,45.72)
  Bottom w0.254: v1(31.75,45.72) Q80.3 31.75,49.78 32.58,50.61 R172.1
/Connector/STR10: length 196.2
  In2.Cu w0.254: v1(48.77,45.72) v1(48.77,40.77)
  In3.Cu w0.254: J1.a24 221.96,37.59 214.12,37.59 213.74,37.97 210.82,37.97 209.93,37.08 v1(204.22,37.08)
  Bottom w0.254: v1(48.77,40.77) 50.8,42.8 111.63,42.8 123.57,30.86 200.41,30.86 204.22,34.67 v1(204.22,37.08) ; 49.59,51.31 49.59,50.61 48.77,49.78 Q82.3 v1(48.77,45.72)
/Connector/STR11: length 192.5
  In2.Cu w0.254: v1(70.1,44.83) 71.5,43.43 v1(71.5,15.24)
  In3.Cu w0.254: v1(70.1,44.83) 66.68,44.83 v1(65.79,45.72) ; v1(71.5,15.24) 73.28,13.46 160.4,13.46 161.29,14.35 180.59,14.35 181.48,13.46 193.67,13.46 194.82,14.61 219.3,14.61 J1.b32
  Bottom w0.254: R180.1 66.61,50.61 65.79,49.78 Q84.3 v1(65.79,45.72)
/Connector/STR12: length 149
  In3.Cu w0.254: v1(82.8,45.72) 89.66,45.72 90.68,44.7 112.39,44.7 113.41,45.72 149.61,45.72 150.62,44.7 205.49,44.7 207.52,42.67 221.96,42.67 J1.a22
  Bottom w0.254: R184.1 83.63,50.61 82.8,49.78 Q86.3 v1(82.8,45.72)
/Connector/XCN1: length 198.9
  Top w0.254: Q4.3 28.75,37.26 v1(28.83,37.34)
  In3.Cu w0.254: v1(28.83,37.34) 30.35,35.81 63.5,35.81 65.91,38.23 97.41,38.23 97.79,37.85 129.67,37.85 131.44,39.62 208.03,39.62 208.41,39.24 209.3,39.24 210.19,40.13 221.96,40.13 J1.a23
/Connector/XCN2: length 187.2
  Top w0.254: v1(45.85,37.34) 45.77,37.26 Q8.3
  In2.Cu w0.254: v1(205.99,42.16) v1(205.99,47.24)
  In3.Cu w0.254: v1(205.99,47.24) 211.96,47.24 212.85,48.13 213.87,48.13 214.25,47.75 221.96,47.75 J1.a20 ; v1(205.99,42.16) 131.32,42.16 129.41,40.26 98.55,40.26 97.16,38.86 65.66,38.86 63.25,36.45 46.74,36.45 v1(45.85,37.34)
/Connector/XCN3: length 175.2
  Top w0.254: v1(62.87,37.34) 62.79,37.26 Q12.3
  In2.Cu w0.254: v1(147.7,44.07) v1(147.7,54.12)
  In3.Cu w0.254: J1.a18 221.96,52.83 217.17,52.83 215.88,54.12 v1(147.7,54.12) ; v1(62.87,37.34) 65.02,39.5 96.65,39.5 98.04,40.89 128.91,40.89 130.94,42.93 146.56,42.93 v1(147.7,44.07)
